# Altium PCB MFC.PcbDoc
Units mm, origin at the board's own origin, x right, y up, seen from the top; angles counter-clockwise.
Board outline 54.12 x 48.52 mm, 2 copper layers (Top Layer, Bottom Layer); 32 components, 35 nets, 125 pads, 89 vias.
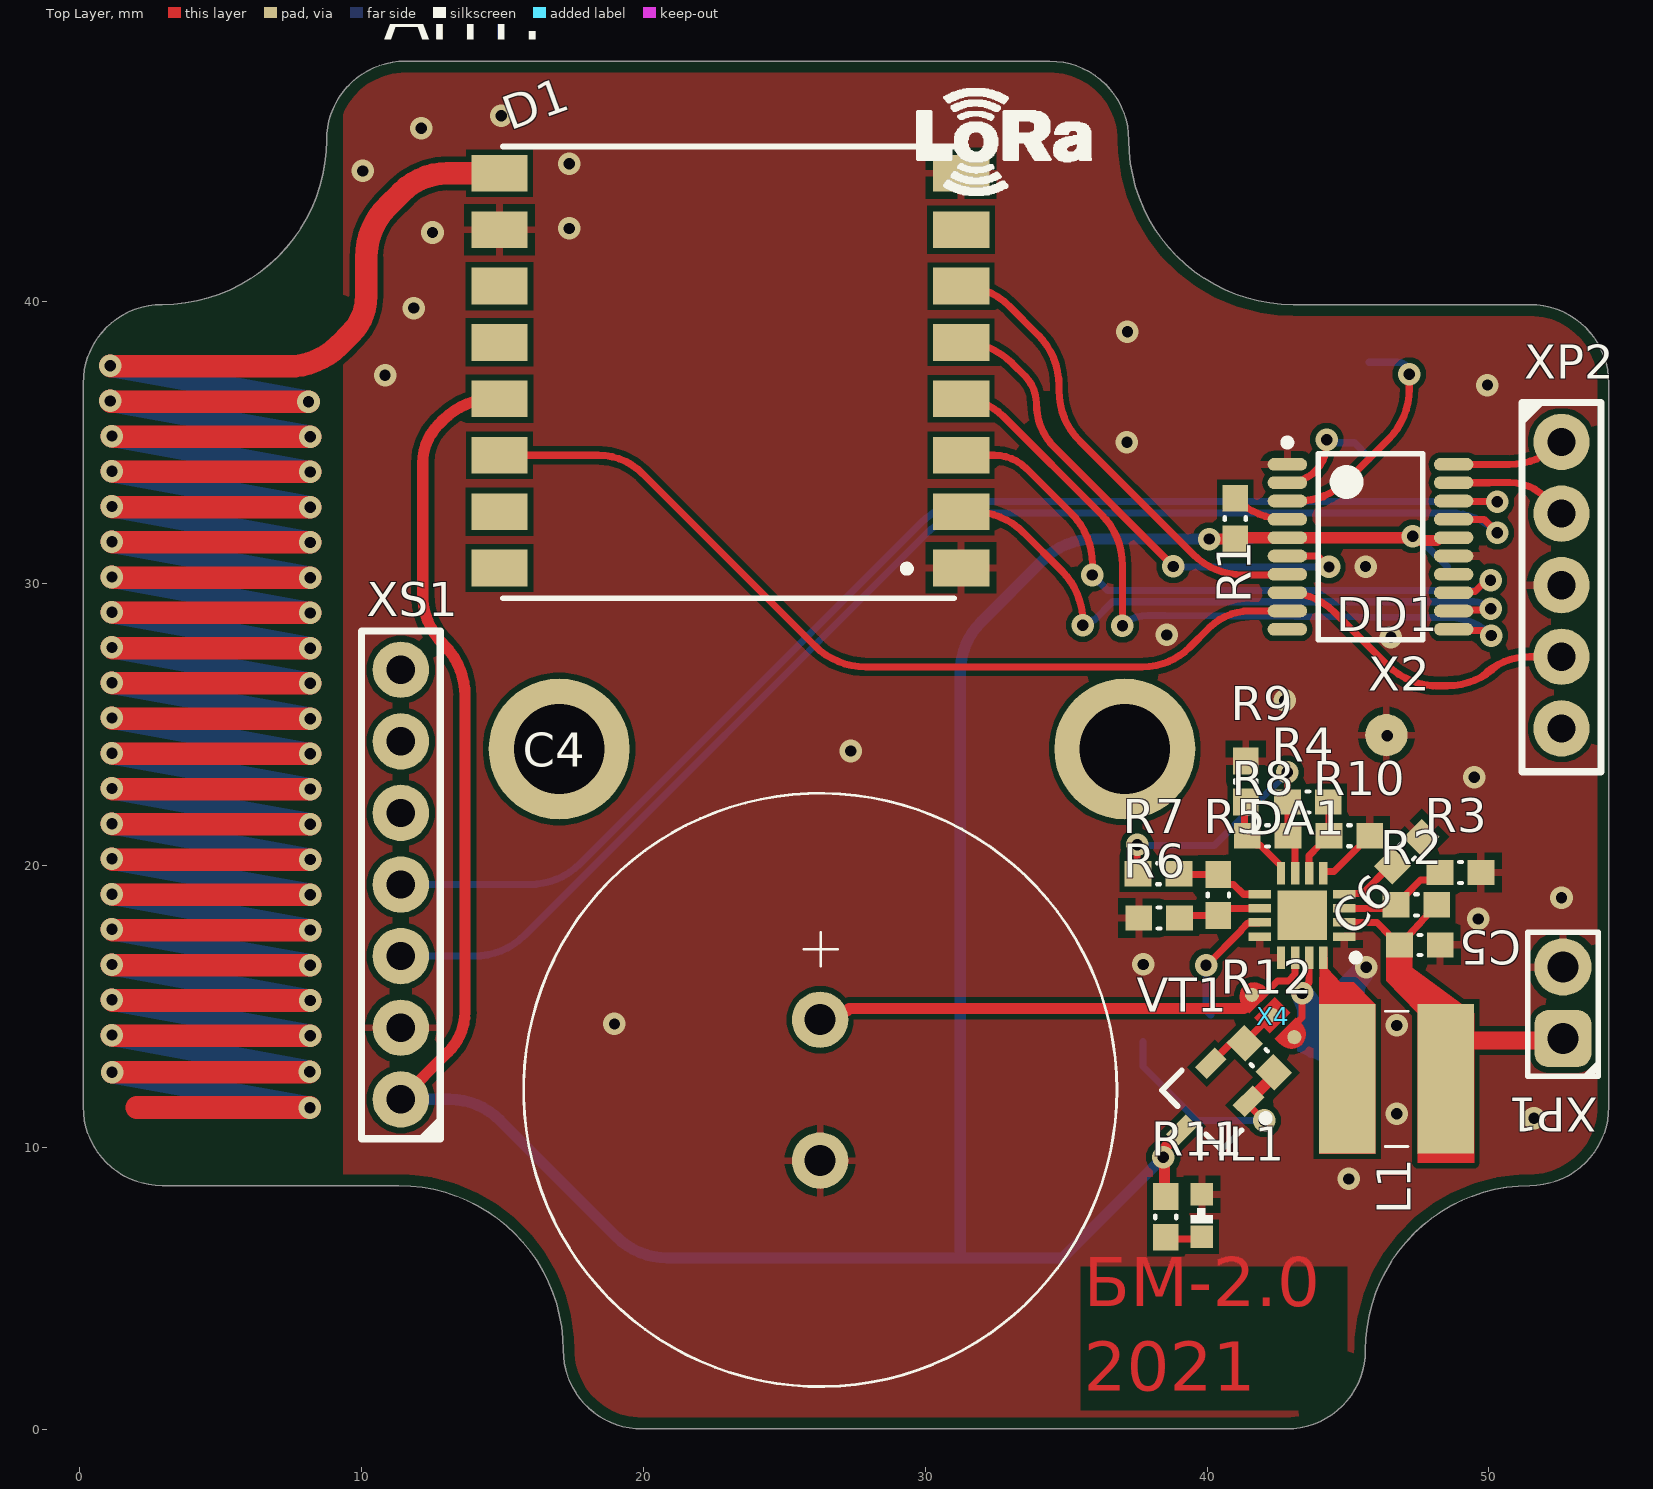
[diagram p0: Top Layer view]
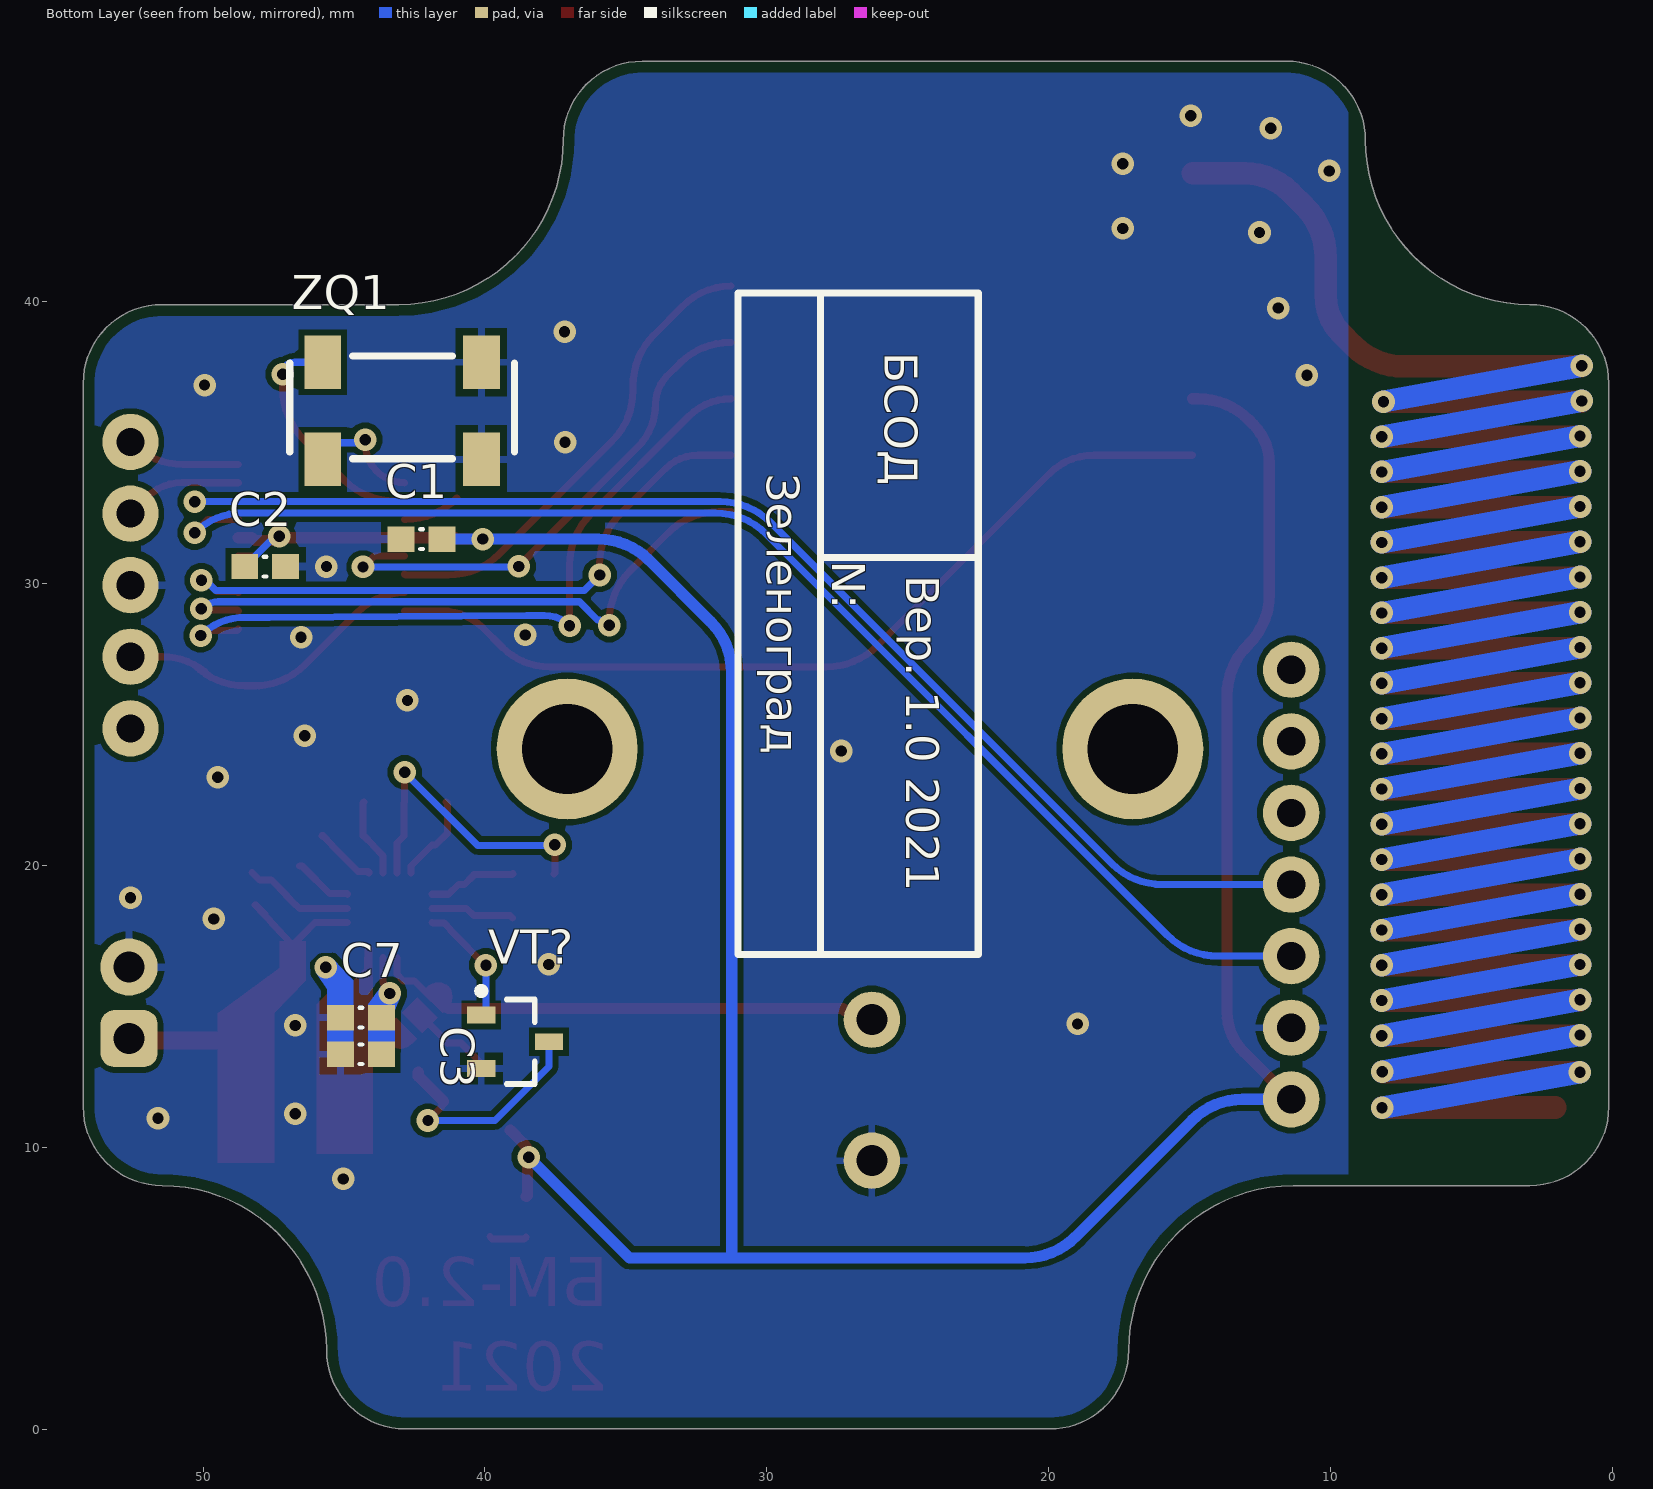
[diagram p1: Bottom Layer view, seen from below]

## Layer stack, top to bottom
Top Solder: solder mask 0.0102, Solder Resist, Dk 3.5
Top Layer: signal copper 0.0356
Dielectric 1: dielectric 0.32, FR-4, Dk 4.8
Bottom Layer: signal copper 0.0356
Bottom Solder: solder mask 0.0102, Solder Resist, Dk 3.5

## Board outline
2.933,8.637 11.33,8.637 cw(c11.33,2.806) 17.162,2.806 ccw(c19.962,2.806) 19.962,0.006 42.822,0.006 ccw(c42.822,2.806) 45.621,2.806 cw(c51.453,2.806) 51.453,8.637 ccw(c51.453,11.437) 54.253,11.437 54.253,37.097 ccw(c51.453,37.097) 51.453,39.896 43.055,39.896 cw(c43.055,45.728) 37.224,45.728 ccw(c34.424,45.728) 34.424,48.527 11.564,48.527 ccw(c11.564,45.728) 8.764,45.728 cw(c2.933,45.728) 2.933,39.896 ccw(c2.933,37.097) 0.133,37.097 0.133,11.437 ccw(c2.933,11.437)

## Design rules (kind name [scope] priority, off if disabled: settings)
BoardOutlineClearance [All] p1: gap=0.4 ignorepadtopadclearanceinfootprint=FALSE
Clearance [All] p1: gap=0.2 ignorepadtopadclearanceinfootprint=FALSE except(0.125: Arc-Arc Arc-Track Arc-SMDPad Arc-THPad Arc-Via Arc-Text Track-Track Track-SMDPad Track-THPad Track-Via Track-Text SMDPad-Via SMDPad-Text THPad-THPad THPad-Via THPad-Text Via-Via Via-Text Fill-Text Poly-Text Region-Text Text-Text; 0.25: Arc-Hole Track-Hole SMDPad-Hole THPad-Hole Via-Hole Fill-Hole Poly-Hole Region-Hole Text-Hole)
ComponentClearance [All] p1: gap=0 collisioncheckmode=3 verticalgap=0.254 showdistances=FALSE
DiffPairsRouting [All] p1: maxlimit=0.254 minlimit=0.15 mostfreqgap=0.254 toplayer_minwidth=0.2 toplayer_maxwidth=0.381 toplayer_prefwidth=0.254 bottomlayer_minwidth=0.2 bottomlayer_maxwidth=0.381 bottomlayer_prefwidth=0.254 maxuncoupledlength=12.7
HoleSize [All] p1: absolutevalues=TRUE maxlimit=100 minlimit=0.3 maxpercent=80.000 minpercent=20.000
MinimumAnnularRing [All] p1: minimumring=0.15
MinimumSolderMaskSliver [All] p1: minsoldermaskwidth=0.15
PolygonConnect [All] p1: thpad.connectstyle=Relief thpad.reliefconductorwidth=0.254 thpad.reliefentries=4 thpad.polygonreliefangle="90 Angle" thpad.airgapwidth=0.254 smdpad.connectstyle=Relief smdpad.reliefconductorwidth=0.254 smdpad.reliefentries=4 smdpad.polygonreliefangle="90 Angle" smdpad.airgapwidth=0.254 via.connectstyle=Direct via.reliefconductorwidth=0.254 via.reliefentries=4 via.polygonreliefangle="90 Angle" via.airgapwidth=0.254
RoutingVias [All] p1: holewidth=0.4 width=0.8 viastyle="Through Hole" minholewidth=0.3 minwidth=0.8 maxholewidth=0.8 maxwidth=1.27
SilkToSilkClearance [All] p1 off: silktosilkclearance=0.15
SilkToSolderMaskClearance [IsPad] p1: minsilkscreentomaskgap=0.1 clearancetoexposedcopper=TRUE
SolderMaskExpansion [All] p1: expansion=0.102 istentingtop=FALSE
Width [All] p1: maxlimit=1 minlimit=0.125 preferedwidth=0.254
24 further rules are at their usual default settings.

## Components (designator, comment, footprint, x,y, rotation, side; value= is the part's Value field where it differs from the comment)
C1 "0,1 мк" C_0603 42.25,31.575 r180 bottom value=0.1µF
C2 "0,1 мк" C_0603 47.8,30.6 r0 bottom value=0.1µF
C3 "4,7 мк" C_0603 44.4,13.3 r180 bottom value=4.7µF
C4 "1Ф 5,5В" EECF5R5u 26.275,12.025 r270 top locked
C5 "4,7 мк" C_0603 47.55,17.175 r180 top value=4.7µF
C6 "10000" C_0603 47.092,20.49 r45 top value=10000pF
C7 "0,1 мк" C_0603 44.4,14.601 r0 bottom value=0.1µF
D1 "RFM98W" RFM98W 31.025,45.55 r180 top
DA1 "BQ25504RGTT" VQFN-16 43.375,18.225 r180 top
DD1 "STM32L010F4P6" TSSOP-20 45.8,31.3 r0 top
HL1 "BL-HGK36G" LED_0603_GREEN 39.821,7.602 r90 top
L1 "SRR4028-220Y" SRR4028220Y 46.725,12.425 r90 top
R1 "100 к" R_0603 41,32.3 r90 top value="10 к"
R2 "5,1М" R_0603 47.425,18.6 r0 top value="4,99 M"
R3 "10М" R_0603 48.994,19.747 r180 top value="4,99 M"
R4 "5,1M" R_0603 43.575,22.25 r0 top value="3,09 M"
R5 "7,5М" R_0603 40.4,18.95 r90 top value="3,09 M"
R6 "5,1M" R_0603 38.302,18.134 r180 top value="3,09 M"
R7 "1,8М" R_0603 38.279,19.703 r180 top value="3,09 M"
R8 "7,5M" R_0603 42.151,21.046 r180 top value="3,09 M"
R9 "10M" R_0603 41.375,22.975 r90 top value="3,09 M"
R10 "5,1M" R_0603 45.05,21.05 r0 top value="3,09 M"
R11 "4,7к" R_0603 38.537,7.532 r270 top value="3,09 M"
R12 "100к" R_0603 41.85,13.175 r315 top value="3,09 M"
VT1 "IRLML5203TRPBF" SOT23 39.953,11.455 r225 top
VT? "BSS138" SOT23 38.932,13.743 r180 bottom
X2 "КТ" KT_2 46.361,24.618 r0 top
X4 "Solder_jumper_3" Solder_jumper_3 42.725,14.275 r135 top
XP1 "PLS-2" PLS-2 52.625,15.125 r180 top
XP2 "PLS-5" PLS-5 52.575,35.02 r270 top
XS1 "PBS-7" PBS-7 11.4,11.7 r90 top
ZQ1 "KX-327S" KX-327S 42.9,36.375 r180 bottom

## Footprints (in the part's own frame and the unit in brackets; to place one, negate y for a bottom-side part, rotate by r counter-clockwise, add the part's x,y. Pads: shape width x height; smd on the part's side, far side on the other; paste and mask are expansions set on the pad)
C_0603 [mm] "Chip Resistor, 2-Leads, Body 1.60x0.80mm, IPC Medium Density"
  rect 0.95x0.9 smd: 1(-0.725,0) 2(0.725,0)
  silkscreen extent -0.05,-0.35 0.05,0.35, body extent -0.8,-0.4 0.8,0.4, height 0.8
EECF5R5u [mm]
  round 2 hole 1.1: 1(-2.5,0) 2(2.5,0)
  silkscreen extent -10.53,-10.52 10.52,10.53, body extent -10.75,-10.75 10.76,10.75, height 8.01
KT_2 [mm]
  round 1.5 smd: 1(0,0)
KX-327S [mm]
  rect 1.3x1.9 smd: 1(-2.85,-1.975) 2(2.775,-1.975) 3(2.775,1.475) 4(-2.85,1.475)
  silkscreen extent -4.03,-1.95 3.95,1.7, body extent -4.03,-2 3.97,1.7, height 2.5
LED_0603_GREEN [mm]
  rect 0.8x0.8 smd: 1(-0.775,0) 2(0.725,0)
  silkscreen extent -0.3,-0.4 0.25,0.4, body extent -0.8,-0.4 0.8,0.4, height 0.6
PBS-7 [mm]
  round 2 hole 1: 1(0,0) 2(2.54,0) 3(5.08,0) 4(7.62,0) 5(10.16,0) 6(12.7,0) 7(15.24,0)
  silkscreen extent -1.4,-1.4 16.61,1.4, body extent -1.27,-1.27 16.51,1.27, height 8.5
PLS-2 [mil] "PLS-2 вилка штыревая 2.54мм 1x2 прямая"
  rrect50% 80x80 hole 43.31: 1(0,50)
  round 80 hole 43.31: 2(0,-50)
  silkscreen extent -49,-98 49,102, body extent -49,-100 49,100, height 335
PLS-5 [mm]
  round 2 hole 1: 1(0,0) 2(2.54,0) 3(5.08,0) 4(7.62,0) 5(10.16,0)
  silkscreen extent -1.4,-1.4 11.7,1.4, body extent -1.2,-1.3 11.5,1.24, height 8.54
R_0603 [mm] "Chip Resistor, 2-Leads, Body 1.60x0.80mm, IPC Medium Density"
  rect 0.95x0.9 smd: 1(-0.725,0) 2(0.725,0)
  silkscreen extent -0.05,-0.38 0.05,0.38, body extent -0.8,-0.45 0.75,0.4, height 0.45
RFM98W [mm]
  rect 2x1.3 smd: 1(-0.25,15) 2(-0.25,13) 3(-0.25,11) 4(-0.25,9) 5(-0.25,7) 6(-0.25,5) 7(-0.25,3) 8(-0.25,1) 9(16.125,1) 10(16.125,3) 11(16.125,5) 12(16.125,7) 13(16.125,9) 14(16.125,11) 15(16.125,13) 16(16.125,15)
  silkscreen extent 0,0.05 16,16.08, body extent -0.02,-0.03 15.98,15.97, height 2.04
Solder_jumper_3 [mm]
  rrect100% 0.5x0.5 smd: 1(-0.525,0) 2(0.6,0) 3(1.6,0)
  Top Layer region: 0.182,-0.521 0.982,-0.521 0.982,0.527 0.182,0.527
  Top Layer region: 1.2,-0.525 1.425,-0.525 1.643,-0.497 1.834,-0.387 1.968,-0.212 2.025,0 2.025,0 1.962,0.216 1.821,0.392 1.624,0.5 1.4,0.525 1.4,0.525 1.2,0.525
  Top Layer region: -0.075,0.525 -0.3,0.525 -0.518,0.497 -0.709,0.387 -0.843,0.212 -0.9,0 -0.9,0 -0.837,-0.216 -0.696,-0.392 -0.499,-0.5 -0.275,-0.525 -0.275,-0.525 -0.075,-0.525
SOT23 [mm] "SOT23, 3-Leads, Body 2,90x2,45mm, Pitch 0,95mm, IPC Medium Density"
  rect 1x0.6 smd: 1(-1.2,0.95) 2(-1.2,-0.95) 3(1.2,0)
  silkscreen extent -1.32,-1.5 0.7,1.92, body extent -1.05,-1.5 1.45,1.5, height 1.05
SRR4028220Y [mm]
  rect 5.3x2 smd: 1(0,-1.75) 2(0,1.75)
  silkscreen extent -2.4,-0.4 2.4,0.4, body extent -2.4,-2.4 2.4,2.4, height 2.8
TSSOP-20 [mm] "TSOP, 20-Leads, Body 6,50x4,40mm, Pitch 0,65mm, IPC Medium Density"
  oval 1.4x0.45 smd: 1(-2.95,2.925) 2(-2.95,2.275) 3(-2.95,1.625) 4(-2.95,0.975) 5(-2.95,0.325) 6(-2.95,-0.325) 7(-2.95,-0.975) 8(-2.95,-1.625) 9(-2.95,-2.275) 10(-2.95,-2.925) 11(2.95,-2.925) 12(2.95,-2.275) 13(2.95,-1.625) 14(2.95,-0.975) 15(2.95,-0.325) 16(2.95,0.325) 17(2.95,0.975) 18(2.95,1.625) 19(2.95,2.275) 20(2.95,2.925)
  silkscreen extent -3.07,-3.3 1.85,3.82, body extent -3.3,-3.3 3.3,3.3, height 1.2
VQFN-16 [mm]
  rect 0.8x0.3 smd: 1(-1.5,0.75) 2(-1.5,0.25) 3(-1.5,-0.25) 4(-1.5,-0.75) 9(1.5,-0.75) 10(1.5,-0.25) 11(1.5,0.25) 12(1.5,0.75)
  rect 0.3x0.8 smd: 5(-0.75,-1.5) 6(-0.25,-1.5) 7(0.25,-1.5) 8(0.75,-1.5) 13(0.75,1.5) 14(0.25,1.5) 15(-0.25,1.5) 16(-0.75,1.5)
  rect 1.75x1.75 smd: 17(0,0)
  silkscreen extent -2.02,1.38 -1.78,1.62, body extent -1.5,-1.5 1.5,1.5, height 1

## Part data
C1 C2 C7: library part GRM188R72A104MA35D, "CAP CER 0.1UF 100V X7R 0603", Manufacturer="Murata Electronics", Component Type=Capasitor, ComponentLink1Description=Datasheet, ComponentLink1URL=https://search.murata.co.jp/Ceramy/image/img/A01X/G101/ENG/GRM188R72A104MA35-01.pdf, Part Number=GRM188R72A104MA35D
C3 C5: library part GRM185C81A475KE11D, "CAP CER 4.7UF 10V X6S 0603", Manufacturer="Murata Electronics", Component Type=Capasitor, ComponentLink1Description=Datasheet, ComponentLink1URL=https://search.murata.co.jp/Ceramy/image/img/A01X/G101/ENG/GRM185C81A475KE11-01.pdf, Part Number=GRM185C81A475KE11D
C4: library part EECF5R5U105, "1 Ф, 5.5 В, 5 мм, 2208H, Ионистор"
C6: library part GRM1857U1A103JA44D, "CAP CER 10000PF 10V U2J 0603", Manufacturer="Murata Electronics", Component Type=Capasitor, ComponentLink1Description=Datasheet, ComponentLink1URL=https://www.murata.com/~/media/webrenewal/support/library/catalog/products/capacitor/mlcc/c02e.ashx?la=en-us, Part Number=GRM1857U1A103JA44D
D1: "LoRa modem"
DA1: "Ultra Low-Power Boost Converter With Battery Management For Energy Harvester Applications", Manufacturer_Name="Texas Instruments", Mouser Part Number=595-BQ25504RGTT, Arrow Part Number=BQ25504RGTT, Arrow Price/Stock=https://www.arrow.com/en/products/bq25504rgtt/texas-instruments?region=nac, Datasheet Link=http://www.ti.com/general/docs/lit/getliterature.tsp?genericPartNumber=BQ25504&&fileType=pdf, Height=1mm, Manufacturer_Part_Number=BQ25504RGTT, Mouser Price/Stock=https://www.mouser.co.uk/ProductDetail/Texas-Instruments/BQ25504RGTT?qs=LDM2r2BBpnbezhyy8cKCSA%3D%3D
HL1: "SMD LED 0603 TOP зеленый"
L1: "Inductor", Manufacturer_Name=Bourns, Mouser Part Number=652-SRR4028-220Y, Arrow Part Number=SRR4028-220Y, Arrow Price/Stock=https://www.arrow.com/en/products/srr4028-220y/bourns, Datasheet Link=https://componentsearchengine.com/Datasheets/2/SRR4028-220Y.pdf, Height=3mm, Manufacturer_Part_Number=SRR4028-220Y, Mouser Price/Stock=https://www.mouser.co.uk/ProductDetail/Bourns/SRR4028-220Y?qs=s%252BX%2FYkvGCpHgCkRmGbimqg%3D%3D
R1: library part CR0603-FX-1002ELF, "RES SMD 10K OHM 1% 1/10W 0603", Manufacturer="Bourns Inc.", Component Type=Resistor, ComponentLink1Description=Datasheet, ComponentLink1URL=https://www.bourns.com/pdfs/chpreztr.pdf, Part Number=CR0603-FX-1002ELF
R2 R3: library part CR0603-FX-4994ELF, "RES SMD 4.99M OHM 1% 1/10W 0603", Manufacturer="Bourns Inc.", Component Type=Resistor, ComponentLink1Description=Datasheet, ComponentLink1URL=https://www.bourns.com/pdfs/chpreztr.pdf, Part Number=CR0603-FX-4994ELF
R4 R5 R6 R7 R8 R9 R10 R11 R12: library part CR0603-FX-3094ELF, "RES SMD 3.09M OHM 1% 1/10W 0603", Manufacturer="Bourns Inc.", Component Type=Resistor, ComponentLink1Description=Datasheet, ComponentLink1URL=https://www.bourns.com/pdfs/chpreztr.pdf, Part Number=CR0603-FX-3094ELF
VT1: "Транзистор, P-канал 30В 3A logic"
VT?: "MOSFET, N-канал, 0.2А, 50В"
ZQ1: "Кварцевый резонатор 32.768 кГц, 20 ppm"

## Free pads (board coordinates)
  round 5 hole 3.2: 0(17.018,24.13) 0(37.084,24.13)

## Via types
v1: diameter 0.8, hole 0.4, Top Layer to Bottom Layer, tented both sides, 87 vias
v2: diameter 0.8, hole 0.4, Top Layer to Bottom Layer, 2 vias

## Nets (pads, with @x,y where several pads share a name; then routed paths per layer and width w, separated by ;. In a path a pad name is that pad's centre, name@x,y a point inside that pad or via, vN(x,y) a via of type N, cw(c..) or ccw(c..) an arc to the next point about the centre after c; other vN are vias at no path point)
ANTENNA: D1.9 | length 315.4
  Top Layer w0.8: v1(1.089,36.474) 1.114,36.45 v1(8.125,36.45) ; v1(1.089,37.724) 1.114,37.7 7.41,37.7 ccw(c7.41,40.24) 9.206,38.444 9.621,38.859 ccw(c8.284,40.196) 10.175,40.196 10.175,41.573 cw(c12.715,41.573) 10.919,43.369 11.425,43.875 cw(c13.055,42.245) 13.055,44.55 D1.9 ; v1(1.152,13.98) 1.177,13.956 v1(8.188,13.956) ; v1(1.152,15.23) 1.177,15.206 v1(8.188,15.206) ; v1(1.152,16.48) 1.177,16.456 v1(8.188,16.456) ; v1(1.152,17.73) 1.177,17.706 v1(8.188,17.706) ; v1(1.152,18.98) 1.177,18.956 v1(8.188,18.956) ; v1(1.152,20.23) 1.177,20.206 v1(8.188,20.206) ; v1(1.152,21.48) 1.177,21.456 v1(8.188,21.456) ; v1(1.152,22.73) 1.177,22.706 v1(8.188,22.706) ; v1(1.152,23.98) 1.177,23.956 v1(8.188,23.956) ; v1(1.152,25.23) 1.177,25.206 v1(8.188,25.206) ; v1(1.152,26.48) 1.177,26.456 v1(8.188,26.456) ; v1(1.152,27.73) 1.177,27.706 v1(8.188,27.706) ; v1(1.152,28.98) 1.177,28.956 v1(8.188,28.956) ; v1(1.152,30.23) 1.177,30.206 v1(8.188,30.206) ; v1(1.152,31.48) 1.177,31.456 v1(8.188,31.456) ; v1(1.152,32.73) 1.177,32.706 v1(8.188,32.706) ; v1(1.152,33.98) 1.177,33.956 v1(8.188,33.956) ; v1(1.152,35.23) 1.177,35.206 v1(8.188,35.206) ; v1(1.157,12.66) 1.166,12.669 8.158,12.669 v1(8.172,12.683) ; 2.037,11.41 8.165,11.41 v1(8.175,11.4)
  Bottom Layer w0.8: v1(1.089,36.474) v1(8.188,35.206) ; v1(1.089,37.724) v1(8.125,36.45) ; v1(1.152,13.98) v1(8.172,12.683) ; v1(1.152,15.23) 6.913,14.187 v1(8.188,13.956) ; v1(1.152,16.48) v1(8.188,15.206) ; v1(1.152,17.73) v1(8.188,16.456) ; v1(1.152,18.98) v1(8.188,17.706) ; v1(1.152,20.23) v1(8.188,18.956) ; v1(1.152,21.48) v1(8.188,20.206) ; v1(1.152,22.73) v1(8.188,21.456) ; v1(1.152,23.98) v1(8.188,22.706) ; v1(1.152,25.23) v1(8.188,23.956) ; v1(1.152,26.48) v1(8.188,25.206) ; v1(1.152,27.73) v1(8.188,26.456) ; v1(1.152,28.98) v1(8.188,27.706) ; v1(1.152,30.23) v1(8.188,28.956) ; v1(1.152,31.48) v1(8.188,30.206) ; v1(1.152,32.73) v1(8.188,31.456) ; v1(1.152,33.98) v1(8.188,32.706) ; v1(1.152,35.23) v1(8.188,33.956) ; v1(1.157,12.66) v1(8.175,11.4)
GND: C1.1 C2.1 C3.1 C4.2 C5.1 C6.2 C7.2 D1.1 D1.8 D1.10 DA1.1 DA1.5 DA1.12 DA1.13 DD1.1 DD1.15 HL1.2 R3.1 R6.2 R9.2 R10.2 VT?.2 X2.1 XP1.2 XP2.3 XS1.2 ZQ1.2 ZQ1.3 | length 2.8
  Top Layer w0.254: DD1.1@42.846,34.221 DD1.1 ; DA1.5 44.125,19.759 44.148,19.782 44.507,19.782 45.427,20.702 45.427,20.727 45.75,21.05 R10.2 ; DD1.15@48.275,30.975 DD1.15
  Top Layer w0.4: XP1.2 XP1.2@52.655,16.425
  other v1: 45.025,8.875 51.6,11.025 46.733,11.186 46.735,14.323 18.978,14.376 45.646,16.385 37.742,16.485 49.625,18.1 52.575,18.85 49.475,23.125 27.36,24.056 46.395,24.594 42.75,25.85 46.524,28.094 38.575,28.175 45.625,30.6 37.16,35.012 49.947,37.037 10.843,37.391 37.175,38.925 11.859,39.769 12.525,42.45 17.375,42.594 10.054,44.634 17.375,44.888 12.127,46.144 14.968,46.596
I2C_SCL: DD1.17 XS1.3 | length 47.1
  Top Layer w0.254: DD1.17 49.825,32.275 v1(50.3,31.8)
  Bottom Layer w0.254: XS1.3 13.999,16.78 ccw(c13.999,19.32) 15.795,17.524 30.027,31.756 cw(c31.823,29.96) 31.823,32.5 48.61,32.5 cw(c48.61,30.11) 49.939,32.096 cw(c48.61,30.11) v1(50.3,31.8)
I2C_SDA: DD1.18 XS1.4 | length 45.9
  Top Layer w0.254: DD1.18 48.763,32.912 50.288,32.912 v1(50.3,32.9)
  Bottom Layer w0.254: XS1.4 15.968,19.32 ccw(c15.968,21.86) 17.764,20.064 29.86,32.16 cw(c31.656,30.364) 31.656,32.904 50.296,32.904 v1(50.3,32.9)
LORA_DIO0: D1.14 DD1.9 | length 31.5
  Top Layer w0.254: D1.14 18.406,34.55 cw(c18.406,32.331) 19.975,33.9 26.092,27.783 ccw(c27.888,29.579) 27.888,27.039 37.702,27.039 ccw(c37.702,29.423) 38.438,27.156 ccw(c37.702,29.423) 39.388,27.738 40.075,28.425 cw(c41.524,26.976) 41.524,29.025 DD1.9
LORA_DIO1: D1.15
LORA_MISO: D1.2 DD1.12 | length 22.7
  Top Layer w0.254: D1.2 31.698,32.55 cw(c31.698,30.01) 33.494,31.806 34.846,30.454 cw(c33.05,28.658) 35.59,28.658 v1(35.59,28.522) ; DD1.12 48.788,29.063 50.023,29.063 v1(50.062,29.101)
  Bottom Layer w0.254: v1(35.59,28.522) 35.738,28.522 35.92,28.704 36.004,28.704 36.65,29.35 49.462,29.35 cw(c49.462,28.501) 49.952,29.194 cw(c49.462,28.501) v1(50.062,29.101)
LORA_MOSI: D1.3 DD1.13 | length 23.1
  Top Layer w0.254: D1.3 32.453,34.55 cw(c32.453,32.928) 33.6,34.075 35.189,32.486 cw(c33.393,30.69) 35.933,30.69 v1(35.933,30.3) ; DD1.13 48.788,29.713 49.51,29.713 49.911,30.113 v1(50.058,30.113)
  Bottom Layer w0.254: v1(35.933,30.3) 36.479,29.754 49.554,29.754 49.913,30.113 v1(50.058,30.113)
LORA_NSS: D1.5 DD1.6 | length 18.6
  Top Layer w0.254: D1.5 31.298,38.55 cw(c31.298,36.01) 33.094,37.806 33.543,37.357 cw(c32.562,36.375) 33.95,36.375 ccw(c36.151,36.375) 34.027,35.798 ccw(c36.151,36.375) 34.595,34.819 38.799,30.614 v1(38.799,30.604) ; DD1.6 43.925,30.975 44.313,30.587 v1(44.327,30.587)
  Bottom Layer w0.254: v1(38.799,30.604) 38.816,30.587 v1(44.327,30.587)
LORA_RST: D1.6 DD1.7 | length 16.7
  Top Layer w0.254: D1.6 cw(c31.275,38.136) 32.982,39.843 34.006,38.819 cw(c32.21,37.023) 34.75,37.023 34.75,36.842 ccw(c37.29,36.842) 35.494,35.046 39.496,31.044 ccw(c41.292,32.84) 41.292,30.3 42.825,30.3 DD1.7
LORA_SCK: D1.4 DD1.11 | length 25.5
  Top Layer w0.254: D1.4 cw(c31.275,34.438) 32.769,35.931 36.256,32.444 cw(c34.46,30.648) 37,30.648 v1(37,28.5) ; DD1.11 48.788,28.337 49.753,28.337 49.939,28.152 v1(50.087,28.152)
  Bottom Layer w0.254: v1(37,28.5) cw(c37.885,27.615) 37.013,28.513 cw(c37.885,27.615) 37.885,28.867 38.525,28.867 47.65,28.798 48.526,28.798 cw(c48.526,26.591) 48.714,28.79 cw(c48.526,26.591) 49.803,28.391 cw(c48.526,26.591) v1(50.087,28.152)
NetC3_2: C3.2 C7.1 DA1.15 X4.1 | length 5.7
  Top Layer w0.25: X4.1@43.325,13.804 43.264,13.804 43.164,13.904 X4.1 43.048,13.952 43.048,14.164 42.994,14.219 43.373,14.598 43.373,15.597 43.625,15.849 DA1.15
  Bottom Layer w0.25: C3.2 43.621,13.354 43.621,14.547 C7.1
  Bottom Layer w0.254: v1(43.373,15.456) 43.373,14.902 C7.1
NetC4_1: C4.1 DA1.14 X4.3 | length 18
  Top Layer w0.25: 41.86,15.266 42.494,15.9 42.884,15.9 43.125,16.141 DA1.14
  Top Layer w0.4: C4.1 26.581,14.831 27.215,14.831 27.309,14.925 41.311,14.925 41.574,15.188 41.574,15.387 X4.3
NetC5_2: C5.2 DA1.2 L1.1 R2.2 XP1.1 | length 12.6
  Top Layer w0.25: DA1.2 46.025,17.975 ; 46.026,17.974 46.5,17.5 C5.2 47.127,17.5 47.525,17.927 47.679,18.093 47.848,18.275 R2.2 48.125,18.6 47.8,18.275 R2.2@47.8,18.25 ; 48.125,15.15 48.125,12.775 L1.1 48.475,12.779 49.35,13.654 49.704,13.654 49.905,13.855 XP1.1
NetC6_1: C6.1 DA1.4 | length 2.1
  Top Layer w0.25: DA1.4 44.9,19 45.512,19 46.462,19.951 46.462,19.962 46.478,19.978 C6.1
NetDA1_3: DA1.3 R2.1 R3.2 | length 3.9
  Top Layer w0.25: DA1.3 46.575,18.475 R2.1 46.725,18.6 47.05,18.925 47.05,18.95 47.575,19.475 47.997,19.475 R3.2
NetDA1_6: DA1.6 R4.2 R10.1 | length 2.8
  Top Layer w0.25: DA1.6 43.625,20.35 43.975,20.7 43.975,20.725 44.3,21.05 R10.1 44.325,22.225 R4.2
NetDA1_7: DA1.7 R4.1 R7.2 R8.1 | length 11.1
  Top Layer w0.25: v1(37.52,20.727) 37.52,19.737 R7.2 ; v1(42.85,23.3) R4.1 42.876,22.224 R8.1 43.125,20.797 DA1.7
  Bottom Layer w0.25: v1(37.52,20.727) 37.539,20.708 40.258,20.708 v1(42.85,23.3)
NetDA1_8: DA1.8 R8.2 R9.1 | length 3.2
  Top Layer w0.25: R9.1 41.322,22.197 41.322,21.15 41.751,20.721 41.879,20.721 42.625,19.975 DA1.8
NetDA1_9: DA1.9 R5.2 R7.1 | length 3.2
  Top Layer w0.25: R7.1 39.032,19.675 R5.2 40.4,19.65 40.725,19.325 40.937,19.325 41.287,18.975 DA1.9
NetDA1_10: DA1.10 R5.1 R6.1 | length 3
  Top Layer w0.25: R6.1 39.118,18.225 R5.1 40.65,18.475 DA1.10
NetDA1_11: DA1.11 VT?.1 | length 4.4
  Top Layer w0.25: v2(39.966,16.454) 39.979,16.454 41.225,17.7 41.225,17.729 41.446,17.95 41.85,17.95 DA1.11
  Bottom Layer w0.25: v2(39.966,16.454) 39.966,14.859 VT?.1
NetDA1_16: DA1.16 L1.2
NetDD1_2: DD1.2 ZQ1.1 | length 4.2
  Top Layer w0.254: DD1.2 ccw(c42.85,34.975) 44.095,34.335 ccw(c42.85,34.975) 44.25,34.955 ccw(c42.85,34.975) 44.25,34.975 v1(44.25,35.103)
  Bottom Layer w0.254: v1(44.25,35.103) 44.398,35.103 44.507,34.993 45.227,34.993 45.75,34.47 ZQ1.1
NetDD1_3: DD1.3 ZQ1.4 | length 9.5
  Top Layer w0.254: DD1.3 DD1.3@43.198,32.925 ; 44.133,33.075 cw(c43.273,35.465) 43.273,32.925 DD1.3@43.198,32.925 ; v1(47.175,37.425) 47.175,36.902 cw(c44.635,36.902) 46.431,35.106 44.994,33.669 cw(c43.198,35.465) DD1.3@43.198,32.925
  Bottom Layer w0.254: ZQ1.4 46.75,37.85 cw(c46.75,37.425) v1(47.175,37.425)
NetDD1_4: DD1.4 R1.2 | length 2.1
  Top Layer w0.254: R1.2 41.006,33.019 ccw(c42.802,34.815) 42.802,32.275 DD1.4
NetHL1_1: HL1.1 R11.2 | length 1.3
  Top Layer w0.25: R11.2 38.594,6.75 39.744,6.75 HL1.1
NetR12_2: R12.2 VT1.1 VT?.3 | length 8.3
  Top Layer w0.25: VT1.1 ccw(c41.786,11.631) 41.565,11.41 v1(42.025,10.95)
  Top Layer w0.4: VT1.1 42.363,12.521 R12.2
  Bottom Layer w0.25: VT?.3 37.732,12.868 39.649,10.95 v1(42.025,10.95)
SENS_RDY: XS1.5
SWCLK: DD1.20 XP2.1 | length 4
  Top Layer w0.254: DD1.20 50.728,34.225 ccw(c50.728,36.765) 51.93,34.527 ccw(c50.728,36.765) 52.524,34.969 XP2.1
SWDIO: DD1.19 XP2.2 | length 4.2
  Top Layer w0.254: DD1.19 50.018,33.575 50.02,33.577 50.749,33.577 cw(c50.749,31.817) XP2.2@51.993,33.062 ; XP2.2@51.994,33.061 XP2.2
UART_RX: XP2.5
UART_TX: DD1.8 XP2.4 | length 11.8
  Top Layer w0.254: DD1.8 cw(c42.85,27.321) 44.514,28.986 46.383,27.117 ccw(c48.179,28.913) 47.794,26.402 cw(c47.754,26.152) 47.82,26.397 ccw(c47.998,27.05) 47.998,26.373 ccw(c47.998,27.05) 48.047,26.375 cw(c48.064,26.121) 48.074,26.375 ccw(c48.179,28.913) 48.179,26.373 48.521,26.373 ccw(c48.521,28.913) 50.317,27.117 50.323,27.123 ; 49.75,26.7 cw(c51.44,25.01) 50.323,27.123 ; XP2.4 51.44,27.4 ccw(c51.44,25.01) 50.323,27.123
VDD: R12.1 VT1.2 X4.2 | length 3
  Top Layer w0.25: VT1.2 40.86,13.705 41.32,13.705 R12.1 41.337,13.736 42.249,14.648 42.28,14.648 ccw(c42.228,14.699) X4.2 42.312,14.688 X4.2@42.312,14.684
VDD_: C1.2 C2.2 D1.13 DD1.5 DD1.16 R1.1 R11.1 VT1.3 XS1.1 | length 104.9
  Top Layer w0.4: XS1.1 13.092,13.392 ccw(c11.683,14.8) 13.4,13.79 ccw(c11.683,14.8) 13.675,14.8 13.675,26.023 ccw(c11.135,26.023) 13.4,27.172 ccw(c11.135,26.023) 12.931,27.819 12.9,27.85 cw(c14.65,29.6) 12.175,29.6 12.175,34.262 cw(c14.138,34.262) 12.75,35.65 12.906,35.806 cw(c14.702,34.01) 14.702,36.55 D1.13 ; R11.1 38.493,8.3 38.493,9.607 v2(38.45,9.65) cw(c39.179,9.65) 38.663,10.165 VT1.3 ; v1(40.075,31.575) R1.1 41.05,31.625 DD1.5 v1@47.3,31.625 ; v1(47.3,31.675) 47.408,31.675 47.558,31.525 48.161,31.525 48.261,31.625 DD1.16
  Bottom Layer w0.256: v1(47.3,31.675) cw(c47.3,31.313) v1@47.556,31.569 ; v1@47.556,31.569 C2.2
  Bottom Layer w0.4: XS1.1 13.123,11.7 cw(c13.123,9.16) 14.919,10.956 19.056,6.819 ccw(c20.852,8.615) 20.852,6.075 31.25,6.075 ; v2(38.45,9.65) 34.875,6.075 31.25,6.075 ; C1.2 v1(40.075,31.575) 35.977,31.575 ccw(c35.977,29.035) 34.181,30.831 31.994,28.644 ccw(c33.79,26.848) 31.25,26.848 31.25,6.075
pads on no net: D1.7 D1.11 D1.12 D1.16 DA1.17 DD1.10 DD1.14 XS1.6 XS1.7

## Polygon pours and split planes (outlines as drawn)
GND on Top Layer "NONET_L-01_P-001" (solid, remove dead copper, pour order 2): 9.35,-0.758 9.35,50.955 54.465,50.955 54.465,-0.861
GND on Bottom Layer "NONET_L-01_P-001" (solid, remove dead copper, pour order 0): 9.375,-0.911 9.375,50.8 55.372,50.8 55.372,-1.016

## Other copper
Top Layer:
  rectangle net NetC5_2: 49.175,13.475 52.95,14.1
  region net NetDA1_16: 44,17.1 ccw(c44.093,17.05) 44,17.001 43.975,15.075 43.976,9.775 45.975,9.775 45.975,15.075 45.2,15.85 44.725,15.85 44.274,16.325 44.274,16.45 44.256,17.075
  region net NetC5_2: 49.475,9.45 47.475,9.45 47.475,14.75 46.35,15.908 46.35,17.3 47.275,17.3 47.275,16.375 49.475,14.75
  text "БМ-2.0 / 2021" at 35.629,0.775 h3
Bottom Layer:
  region net NetC3_2: 43.193,13.405 43.193,14.856 42.997,15.342 43.674,15.715 44.143,15.08 44.143,13.005
  region net GND: 44.675,13.3 44.675,15.925 45.403,16.692 45.8,16.675 45.997,16.492 45.975,16.162 45.6,15.612 45.6,13.3

## Silkscreen, mask and mechanical layers (free items; w line width, h text height)
Top Overlay:
  drawing of 478 lines, arcs and shapes, not listed
  text "АНТ." at 10.8,48.7 h3
  text "SWD" at 58.1,28.7 h3 r90
  text "ПИТ." at 66.525,17.325 h3 r90
Bottom Overlay:
  lines w0.25: 28.022,30.928 22.501,30.928 22.501,40.3 ; 28.104,16.958 28.104,40.3 ; 22.501,40.3 22.501,16.831 31.025,16.831 31.025,40.3 22.501,40.3
  text "БСОД" at 26.2,38.2 h2 r90
  text "Зеленоград" at 30.4,33.9 h2 r90
  text "N:" at 28.078,30.811 h2 r90
  text "Вер. 1.0 2021" at 25.437,30.293 h2 r90
Top Solder:
  rectangle: -1.625,6.809 9.316,47.4
Bottom Solder:
  rectangle: -1.641,6.834 9.3,47.425
Mechanical 2:
  lines w0.1: 8.756,42.695 ccw(c8.756,42.704) 8.764,42.704 ; 0.133,11.437 ccw(c2.933,11.437) 2.933,8.637 11.33,8.637 cw(c11.33,2.806) 17.162,2.806 ccw(c19.962,2.806) 19.962,0.006 42.822,0.006 ccw(c42.822,2.806) 45.621,2.806 cw(c51.453,2.806) 51.453,8.637 ccw(c51.453,11.437) 54.253,11.437 54.253,37.097 ccw(c51.453,37.097) 51.453,39.896 43.055,39.896 cw(c43.055,45.728) 37.224,45.728 ccw(c34.424,45.728) 34.424,48.527 11.564,48.527 ccw(c11.564,45.728) 8.764,45.728 cw(c2.933,45.728) 2.933,39.896 ccw(c2.933,37.097) 0.133,37.097 0.133,11.437